# Altium PCB RevA2.PcbDoc (part 3 of 6) (continued)
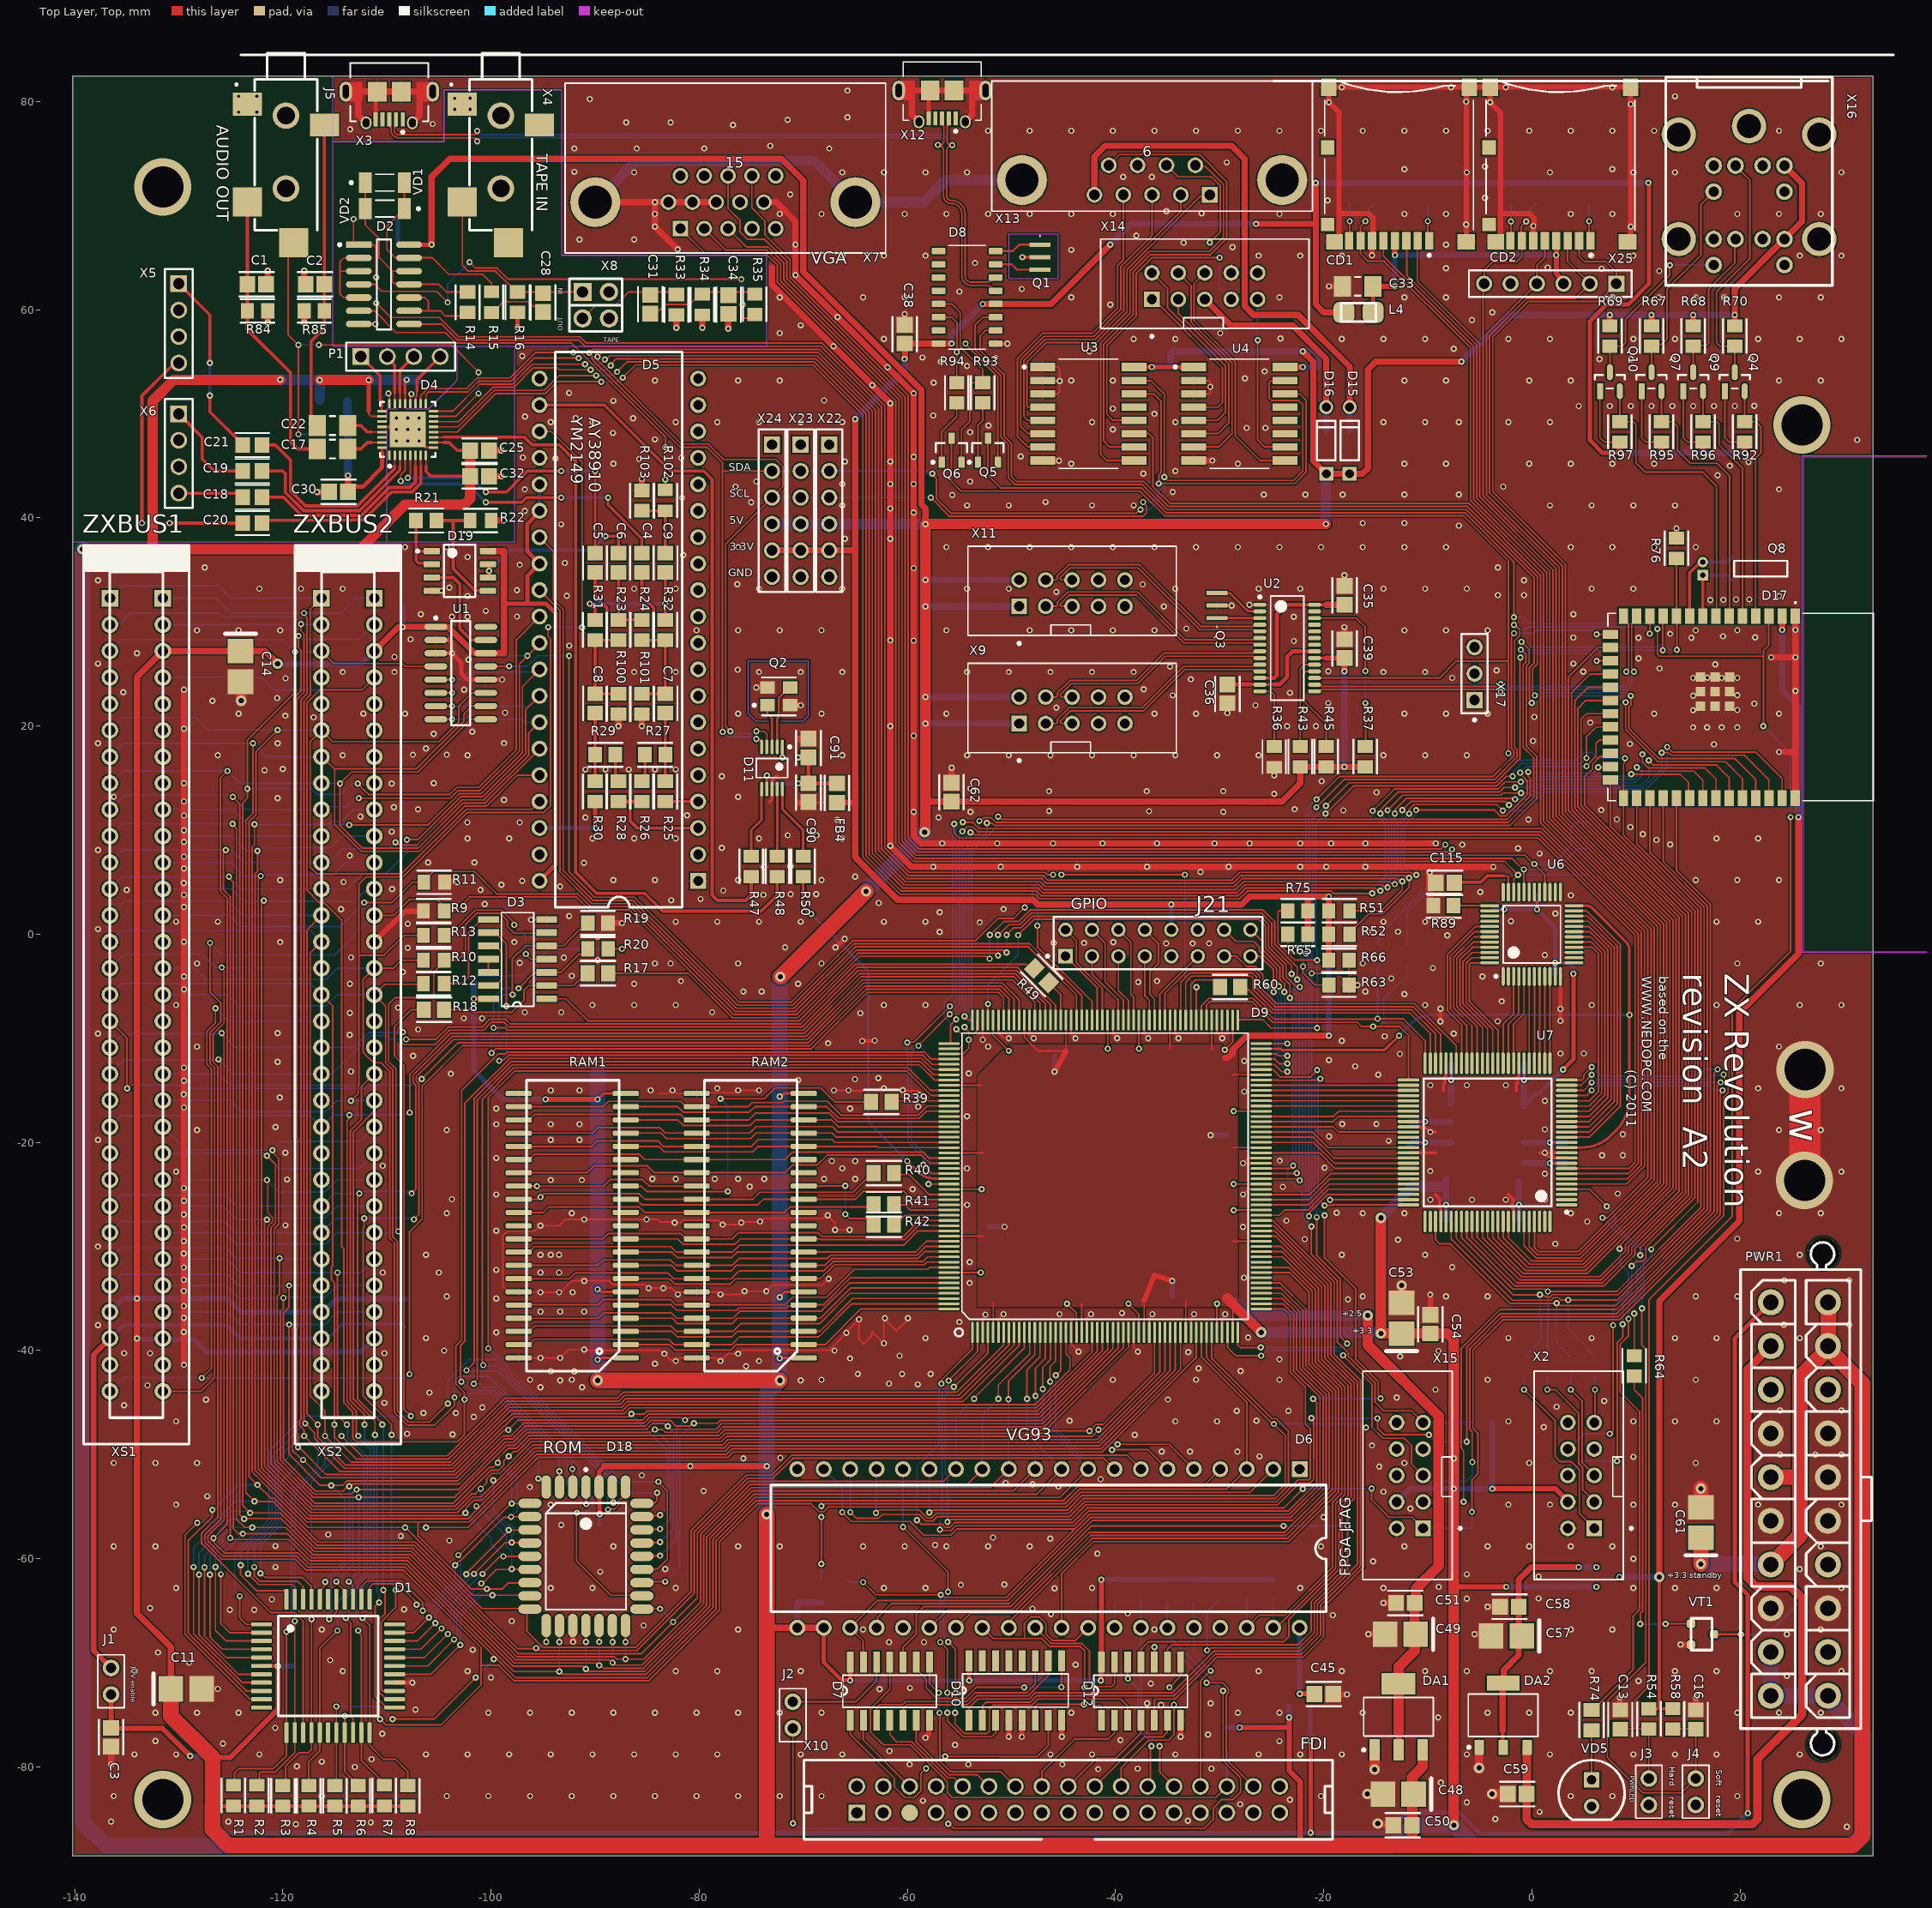
[diagram p0: Top Layer, Top view]
## Nets (pads, with @x,y where several pads share a name; then routed paths per layer and width w, separated by ;. In a path a pad name is that pad's centre, name@x,y a point inside that pad or via, vN(x,y) a via of type N, cw(c..) or ccw(c..) an arc to the next point about the centre after c; other vN are vias at no path point) (continued)
  Bottom Layer, Bottom w0.15: XS1.B6@-136.985,19.215 XS1.B6@-136.61,19.59 -135.374,20.826 -128.363,20.826 -127.173,19.637 v1(-120.504,19.637) -120.481,19.614 XS2.B6@-116.263,19.614 ; v1(-126.775,-55.304) -126.696,-55.304 -124.297,-52.905 v1(-122.43,-52.905) ; v1(-45.741,-42.374) -45.741,-47.43 -43.118,-50.053 -38.897,-50.053 -37.65,-51.3 D6.7@-37.55,-51.3
D1: D1.10 D5.36 D6.8 D9.17 D18.14 U1.10 XS1.B7 XS2.B7 | length 290.7
  Top Layer, Top w0.15: v1(-128.218,-56.535) -129.401,-57.718 -129.401,-67.242 -123.176,-73.467 -122.083,-73.467 D1.10@-122.05,-73.5 ; v1(-122.869,18.342) -122.869,11.626 -123.55,10.945 -123.55,-53.651 -122.702,-54.5 -120.941,-54.5 -116.741,-58.7 -107.388,-58.7 -97.462,-68.626 -95.738,-68.626 -95.738,-68.676 -95.444,-68.676 -95.306,-68.815 -85.978,-68.815 -80.474,-63.311 -80.474,-57.398 -75.339,-52.263 -72.91,-52.263 -71,-50.353 -41.127,-50.353 -40.254,-51.226 D6.8@-40.254,-51.363 ; XS2.B7@-116.29,17.05 -116.19,17.05 -115.025,15.885 ; U1.10@-100.5,21.92 -101.825,21.92 -102.596,21.149 -102.596,20.491 -102.79,20.297 -102.79,20.287 -104.862,18.215 -104.872,18.215 -107.202,15.885 -115.025,15.885 ; v1@-95.713,-68.651 v1(-95.652,-68.59) ; D5.36@-95.335,15.285 -97.451,15.285 -100.428,12.308 -102.543,12.308 -106.886,7.966 -112.466,7.966 -115.025,10.525 -115.025,15.885 ; v1(-94.69,-67.99) -94.69,-66.842 D18.14@-94.66,-66.812 ; v1(-46.279,-42.98) -46.279,-41.529 -45.75,-41 D9.17@-45.75,-38.25
  Bottom Layer, Bottom w0.15: XS1.B7@-136.985,16.675 XS1.B7@-136.61,17.05 -135.318,18.342 v1(-122.869,18.342) -121.577,17.05 -116.4,17.05 XS2.B7@-116.35,17 ; v1(-128.218,-56.535) -128.19,-56.507 -126.595,-56.507 -124.56,-54.472 v1(-122.729,-54.472) ; v1(-95.652,-68.59) -95.566,-68.504 -95.204,-68.504 v1(-94.69,-67.99) ; v1(-46.279,-42.98) -46.279,-47.317 -43.243,-50.353 -41.097,-50.353 D6.8@-40.15,-51.3
D2: D1.7 D5.35 D6.9 D9.16 D18.15 U1.9 XS1.B8 XS2.B8 | length 281.5
  Top Layer, Top w0.15: v1(-128.05,-61.532) -128.05,-67.32 -124.27,-71.1 D1.7@-122.05,-71.1 ; v1(-125.314,15.691) -126,15.005 -126,4.139 -125.35,3.489 -125.35,-56.721 v1(-126.658,-58.029) -126.618,-58.069 -126.618,-58.432 -126.092,-58.958 -125.612,-59.438 -118.548,-59.438 -117.487,-60.5 -108.134,-60.5 -97.793,-70.84 v1@-93.517,-70.84 ; U1.9@-100.5,20.65 -101.947,20.65 -107.011,15.585 -113.393,15.585 -114.431,14.547 -114.5,14.547 -114.568,14.547 v1(-114.5,14.478) -114.5,10.424 -112.342,8.266 -107.01,8.266 -102.668,12.608 -100.552,12.608 D5.35@-95.335,17.825 ; v1(-93.429,-70.84) -93.391,-70.84 -93.116,-71.115 -85.096,-71.115 -78.674,-64.693 -78.674,-58.144 -74.643,-54.113 -45.353,-54.113 -43.703,-52.463 D6.9@-42.64,-51.4 ; v1(-93.429,-67.99) -93.424,-67.986 -93.424,-66.786 D18.15@-93.42,-66.782 ; v1(-46.986,-43.701) -46.986,-41.614 -46.25,-40.878 D9.16@-46.25,-38.25
  Bottom Layer, Bottom w0.15: XS1.B8@-136.985,14.135 -135.429,15.691 v1(-125.314,15.691) -124.133,14.51 -116.36,14.51 XS2.B8@-116.35,14.5 ; v1(-128.05,-61.532) -128.05,-59.421 v1(-126.658,-58.029) ; XS2.B8@-116.29,14.51 -116.274,14.494 -114.516,14.494 v1(-114.5,14.478) ; v1(-93.429,-70.84) v1(-93.429,-67.99) ; v1(-46.986,-43.701) -46.986,-47.034 -42.65,-51.37 D6.9@-42.65,-51.4
D3: D1.3 D5.34 D6.10 D9.15 D18.17 U1.8 XS1.B11 XS2.B11 | length 256
  Top Layer, Top w0.15: v1(-126.475,-60.774) -126.475,-66.871 -125.446,-67.9 D1.3@-122.05,-67.9 ; v1(-125.475,8.103) -125.475,8.015 -125.7,7.79 -125.7,4.263 -125.05,3.613 v1(-125.05,-58) -124.928,-58 -124.786,-58.142 -119.42,-58.142 -117.362,-60.2 -108.009,-60.2 -97.894,-70.315 -91.193,-70.315 -90.918,-70.59 v1(-90.88,-70.59) ; v1(-109.173,8.828) -109.051,8.828 -108.788,8.566 -107.134,8.566 -102.792,12.908 -100.676,12.908 -96.372,17.213 -96.372,19.328 D5.34@-95.335,20.365 ; U1.8@-105.3,20.65 v1(-103.75,20.65) ; v1(-90.88,-67.99) D18.17@-90.88,-66.782 ; v1@-90.792,-70.59 -90.567,-70.815 -85.22,-70.815 -78.974,-64.568 -78.974,-58.019 -74.768,-53.813 -47.593,-53.813 D6.10@-45.17,-51.39 ; v1(-47.679,-44.34) -47.679,-41.693 -46.75,-40.764 D9.15@-46.75,-38.25
  Bottom Layer, Bottom w0.15: XS1.B11@-136.985,6.515 -135.398,8.103 v1(-125.475,8.103) -124.967,8.103 -123.755,6.89 -116.36,6.89 XS2.B11@-116.35,6.9 ; v1(-126.475,-60.774) -126.475,-59.473 -125.05,-58.048 v1(-125.05,-58) ; XS2.B11@-116.29,6.89 -116.062,7.118 -115.368,7.118 -114.265,8.221 -109.78,8.221 v1(-109.173,8.828) ; v1(-103.75,20.65) -97,20.65 -96.715,20.365 D5.34@-95.335,20.365 ; v1(-90.88,-70.59) v1(-90.88,-67.99) ; v1(-47.679,-44.34) -47.679,-48.881 D6.10@-45.17,-51.39
D4: D1.2 D5.33 D6.11 D9.14 D18.18 U1.7 XS1.B12 XS2.B12 | length 252.4
  Top Layer, Top w0.15: v1(-125.95,-61.5) -125.95,-66.246 -125.096,-67.1 D1.2@-122.05,-67.1 ; v1(-125.175,5.54) -125.175,5.442 -124.75,5.017 -124.75,-57.106 -124.274,-57.582 -123.868,-57.582 v1(-123.85,-57.6) -119.538,-57.6 -117.238,-59.9 -107.885,-59.9 -97.77,-70.015 -89.917,-70.015 -89.692,-70.24 v1(-89.604,-70.24) ; v1(-108.08,9.091) -107.033,9.091 -102.916,13.208 -100.8,13.208 -96.672,17.337 -96.672,21.568 D5.33@-95.335,22.905 ; U1.7@-105.3,21.92 v1(-103.75,21.92) ; v1(-89.61,-67.981) D18.18@-89.61,-66.782 ; v1@-89.585,-70.221 -89.53,-70.221 -89.236,-70.515 -85.345,-70.515 -79.274,-64.444 -79.274,-57.895 -74.842,-53.463 -49.783,-53.463 D6.11@-47.71,-51.39 ; v1(-48.5,-44.639) -48.5,-41.852 -47.25,-40.602 D9.14@-47.25,-38.25
  Bottom Layer, Bottom w0.15: XS1.B12@-136.985,3.975 -135.42,5.54 v1(-125.175,5.54) ; v1(-125.95,-61.5) -125.95,-59.713 -123.85,-57.613 v1(-123.85,-57.6) ; v1@-125.247,5.54 v1(-125.175,5.54) ; XS2.B12@-116.35,4.3 -116.4,4.35 -123.985,4.35 v1(-125.175,5.54) ; XS2.B12@-116.29,4.35 -113.825,4.35 -112.431,5.744 -110.218,5.744 -108.08,7.882 v1(-108.08,9.091) ; v1(-103.75,21.92) -96.32,21.92 D5.33@-95.335,22.905 ; v1(-89.61,-67.981) -89.607,-67.984 -89.607,-70.237 v1(-89.604,-70.24) ; v1(-48.5,-44.639) -48.5,-49 -47.71,-49.79 D6.11@-47.71,-51.39
D5: D1.4 D5.32 D6.12 D9.13 D18.19 U1.6 XS1.B10 XS2.B10 | length 258.6
  Top Layer, Top w0.15: v1(-127,-61.525) -127,-67.522 -125.822,-68.7 D1.4@-122.05,-68.7 ; v1(-124.836,10.608) -124.836,10.531 -124.45,10.145 -124.45,-56.195 -123.646,-57 v1(-122.933,-57) -119.714,-57 -117.114,-59.6 -107.761,-59.6 -97.646,-69.715 -88.627,-69.715 -88.352,-69.99 -88.227,-69.99 -88.002,-70.215 -85.469,-70.215 -79.574,-64.32 -79.574,-57.771 -74.966,-53.163 -52.023,-53.163 D6.12@-50.25,-51.39 ; v1(-113.625,10.505) -106.043,10.505 -103.04,13.508 -100.925,13.508 -96.972,17.461 -96.972,23.808 D5.32@-95.335,25.445 ; U1.6@-105.3,23.19 v1(-103.75,23.19) ; D18.19@-88.342,-66.774 -88.327,-66.789 -88.327,-67.978 v1(-88.315,-67.99) ; v1(-50.278,-44.678) -50.278,-42.915 -47.75,-40.387 D9.13@-47.75,-38.25
  Bottom Layer, Bottom w0.15: XS1.B10@-136.985,9.055 -135.432,10.608 v1(-124.836,10.608) -123.658,9.43 XS2.B10@-116.29,9.43 -115.215,10.505 v1(-113.625,10.505) ; v1(-127,-61.525) -127,-59.574 -125.8,-58.374 -125.8,-57.829 -124.97,-57 v1(-122.933,-57) ; v1(-103.75,23.19) -101.729,25.211 -95.569,25.211 D5.32@-95.335,25.445 ; v1(-88.315,-69.99) v1(-88.315,-67.99) ; v1(-50.278,-44.678) -50.264,-44.692 -50.264,-51.085 D6.12@-50.25,-51.1
D6: D1.5 D5.31 D6.13 D9.12 D18.20 U1.5 XS1.B9 XS2.B9 | length 259.9
  Top Layer, Top w0.15: v1(-127.525,-60.819) -127.525,-67.421 -125.446,-69.5 D1.5@-122.05,-69.5 ; v1(-124.804,13.203) -124.15,12.549 -124.15,-55.753 v1(-123.722,-56.181) -123.666,-56.125 -120.164,-56.125 -116.989,-59.3 -107.637,-59.3 -97.521,-69.415 -88.147,-69.415 -87.922,-69.64 v1(-87.072,-69.64) -85.318,-69.64 -79.874,-64.196 -79.874,-57.647 -75.09,-52.863 -54.263,-52.863 D6.13@-52.79,-51.39 ; v1(-112.701,13.076) -103.896,13.076 -103.165,13.808 -101.049,13.808 -97.272,17.585 -97.272,25.978 v1(-96.5,26.75) -95.335,27.915 D5.31@-95.335,27.985 ; U1.5@-105.3,24.46 v1(-103.75,24.46) ; v1(-87.072,-67.99) -87.071,-67.989 -87.071,-66.845 D18.20@-87.072,-66.844 ; v1(-51.25,-44.639) -51.25,-43.3 -48.25,-40.3 D9.12@-48.25,-38.25
  Bottom Layer, Bottom w0.15: XS1.B9@-136.985,11.595 XS1.B9@-136.61,11.97 -135.218,13.363 -125.085,13.363 -124.926,13.203 v1(-124.804,13.203) -123.571,11.97 -116.38,11.97 XS2.B9@-116.35,12 ; v1(-127.525,-60.819) -127.525,-59.675 -126.1,-58.25 -126.1,-57.25 -125.031,-56.181 v1(-123.722,-56.181) ; XS2.B9@-116.29,11.97 -116.012,12.248 -113.936,12.248 -113.125,13.058 -112.719,13.058 v1(-112.701,13.076) ; v1(-103.75,24.46) -102.904,24.46 -100.614,26.75 v1(-96.5,26.75) ; D5.31@-95.335,27.883 D5.31@-95.335,27.985 ; v1(-87.072,-69.64) v1(-87.072,-67.99) ; D6.13@-52.79,-51.39 -52.79,-46.178 v1(-51.25,-44.639)
D7: D1.8 D5.30 D6.14 D9.11 D18.21 U1.4 XS1.B3 XS2.B3 | length 288.1
  Top Layer, Top w0.15: v1(-128.575,-60.798) -128.575,-67.219 -123.895,-71.9 D1.8@-122.05,-71.9 ; v1(-123.411,13.985) -123.405,13.979 -123.405,13.073 -123.85,12.628 -123.85,-54.9 v1(-123.15,-55.6) -120.265,-55.6 -116.865,-59 -107.512,-59 -97.397,-69.115 -85.524,-69.115 -82.503,-66.094 v1(-82.503,-66.083) ; v1@-123.405,14.019 -123.411,14.025 -123.411,18.339 -123.394,18.356 -123.394,18.668 -118.84,23.222 v1(-118.84,27.142) ; XS2.B3@-116.29,27.21 -115.093,26.013 -108.506,26.013 -108.223,25.73 U1.4@-105.3,25.73 ; v1(-112.802,14.467) -112.161,13.826 -111.771,13.435 -103.962,13.435 -103.289,14.108 -101.173,14.108 -97.572,17.71 -97.572,28.288 D5.30@-95.335,30.525 ; D18.21@-85.15,-64.795 -85.12,-64.825 -83.765,-64.825 v1(-83.75,-64.809) ; v1@-82.472,-66.063 -81.318,-64.909 -80.174,-63.765 -80.174,-57.522 -75.215,-52.563 -56.503,-52.563 D6.14@-55.33,-51.39 ; v1(-53.58,-44.639) -53.58,-44.556 -48.75,-39.726 D9.11@-48.75,-38.25
  Bottom Layer, Bottom w0.15: XS1.B3@-136.787,27.033 -135.535,28.285 -119.983,28.285 -118.834,27.137 -118.183,27.137 -118.177,27.142 -116.358,27.142 XS2.B3@-116.29,27.21 ; v1(-128.575,-60.798) -128.575,-58.912 -125.088,-55.425 -123.447,-55.425 -123.272,-55.6 v1(-123.15,-55.6) ; v1(-123.411,13.985) -117.285,13.985 -116.735,13.435 -114.386,13.435 -113.354,14.467 v1(-112.802,14.467) ; D5.30@-95.335,30.165 D5.30@-95.335,30.525 ; v1(-83.75,-64.809) -83.75,-64.822 -82.503,-66.069 v1(-82.503,-66.083) ; D6.14@-55.35,-51.3 -55.33,-51.28 -55.33,-46.389 v1(-53.58,-44.639)
D\I\R\_5: D12.4 X10.18 | length 10.3
  Top Layer, Top w0.15: X10.18@-44.535,-81.87 -41.834,-79.169 -39.974,-79.169 -37.55,-76.745 D12.4@-37.55,-75.52
D\O\S\_1: D9.160 D18.3 XS1.A4 XS2.A4 | length 209.2
  Top Layer, Top w0.15: XS2.A4@-111.25,24.6 -111.28,24.6 -112.405,23.475 -116.466,23.475 -117.665,22.276 -117.665,4.205 -116.501,3.041 -116,3.041 -114.35,1.391 -114.35,-30.003 -114.125,-30.228 -114.125,-45.022 -113.275,-45.872 -113.275,-48.417 -112.942,-48.75 -103.239,-48.75 -102.55,-48.061 v1(-102.55,-44.7) -102.55,-44.042 -103.375,-43.217 -103.375,-39.539 -102.825,-38.989 -102.825,-15.015 -99.745,-11.935 -99.735,-11.935 -99.427,-11.627 -99.427,-11.617 -99.31,-11.5 -98.611,-11.5 -98.437,-11.326 -58.36,-11.326 -57.685,-12 D9.160@-56,-12 ; v1(-93.443,-51.599) -93.431,-51.611 -93.431,-52.8 D18.3@-93.39,-52.842
  Bottom Layer, Bottom w0.15: XS1.A4@-131.53,24.67 -122.071,24.67 -120.868,23.467 -112.413,23.467 XS2.A4@-111.21,24.67 ; v1(-102.55,-44.7) -101.975,-44.125 -99.868,-44.125 -93.443,-50.55 v1(-93.443,-51.599)
D\S\0\_5: D7.4 X10.10 | length 10.4
  Top Layer, Top w0.15: D7.4@-61.68,-75.52 -61.68,-76.906 -61,-77.586 -59.574,-77.586 -56.11,-81.05 -55.515,-81.05 X10.10@-54.695,-81.87
D\S\1\_5: D7.6 X10.12 | length 10.8
  Top Layer, Top w0.15: D7.6@-59.14,-75.52 -59.15,-75.53 -59.15,-77.586 -55.986,-80.75 -53.275,-80.75 X10.12@-52.155,-81.87
D\S\2\_5: D7.8 X10.14 | length 18.2
  Top Layer, Top w0.15: D7.8@-57.87,-69.932 -57.87,-71.972 v1(-56.97,-72.872) ; v1(-56.909,-74.815) -56.884,-74.841 -56.884,-79.428 -55.861,-80.45 -51.035,-80.45 X10.14@-49.615,-81.87
  Bottom Layer, Bottom w0.15: v1(-56.97,-72.872) -56.94,-72.902 -56.94,-74.785 v1(-56.909,-74.815)
D\S\3\_5: D7.2 X10.6 | length 8.2
  Top Layer, Top w0.15: D7.2@-64.22,-75.52 -64.25,-75.55 -64.25,-77.395 X10.6@-59.775,-81.87
DAC_B0: U6.16 U7.21 | length 19.3
  Top Layer, Top w0.15: U7.21@3.35,-16 5.5,-16 6.413,-15.087 6.413,-1.873 5.79,-1.25 U6.16@4.05,-1.25
DAC_B1: U6.17 U7.20 | length 20.5
  Top Layer, Top w0.15: U7.20@3.35,-16.5 5.5,-16.5 6.713,-15.287 6.713,-1.748 5.714,-0.75 U6.17@4.05,-0.75
DAC_B2: U6.18 U7.19 | length 21.7
  Top Layer, Top w0.15: U7.19@3.35,-17 5.5,-17 7.013,-15.487 7.013,-1.624 5.639,-0.25 U6.18@4.05,-0.25
DAC_B3: U6.19 U7.18 | length 22.9
  Top Layer, Top w0.15: U7.18@3.35,-17.5 5.5,-17.5 7.313,-15.687 7.313,-1.5 5.563,0.25 U6.19@4.05,0.25
DAC_B4: U6.20 U7.17 | length 24.1
  Top Layer, Top w0.15: U7.17@3.35,-18 5.5,-18 7.613,-15.887 7.613,-1.376 5.487,0.75 U6.20@4.05,0.75
DAC_B5: U6.21 U7.16 | length 25.3
  Top Layer, Top w0.15: U7.16@3.35,-18.5 5.5,-18.5 7.913,-16.087 7.913,-1.251 5.412,1.25 U6.21@4.05,1.25
DAC_B6: U6.22 U7.15 | length 26.5
  Top Layer, Top w0.15: U7.15@3.35,-19 5.5,-19 8.213,-16.287 8.213,-1.127 5.336,1.75 U6.22@4.05,1.75
DAC_B7: U6.23 U7.14 | length 27.7
  Top Layer, Top w0.15: U7.14@3.35,-19.5 5.5,-19.5 8.513,-16.487 8.513,-1.003 5.304,2.206 ccw(c5.198,2.1) 5.198,2.25 U6.23@4.05,2.25
DAC_CLK_1: D9.103 U6.24 U7.12 | length 67.5
  Top Layer, Top w0.15: D9.103@-26,-11 -24.482,-11
  Top Layer, Top w0.2: U7.12@3.35,-20.5 4.75,-20.5 ; U6.24@3.509,2.75 3.51,2.75 U6.24@4.05,2.75 4.057,2.75 4.057,2.748 ccw(c4.103,2.943) 4.102,2.743 5.197,2.743
  Top Layer, Top w0.25: -24.481,-10.999 -24.15,-10.999 -24.043,-11.106 -14.131,-11.106 -12.827,-9.802 cw(c-12.65,-9.979) v1(-12.75,-9.75) ; 4.75,-20.5 ccw(c4.775,-16.458) 7.621,-19.328 8.111,-18.838 ccw(c5.039,-15.791) 9.366,-15.786 9.366,-7.75 9.366,-7.737 9.366,-1.532 ccw(c8.197,-1.528) 9.366,-1.529 ccw(c8.197,-1.528) 9.022,-0.699 5.792,2.531 ccw(c5.273,2.015) 5.197,2.743
  Bottom Layer, Bottom w0.25: v1(-12.75,-9.75) -11.494,-8.494 cw(c-9.698,-10.29) -9.698,-7.75 v1(9.396,-7.75)
DAC_G0: U6.3 U7.35 | length 8.8
  Top Layer, Top w0.15: U7.35@-2.75,-12.4 -2.75,-8.636 -1.75,-7.636 U6.3@-1.75,-4.05
DAC_G1: U6.4 U7.34 | length 8.8
  Top Layer, Top w0.15: U7.34@-2.25,-12.4 -2.25,-8.636 -1.25,-7.636 U6.4@-1.25,-4.05
DAC_G2: U6.5 U7.33 | length 8.8
  Top Layer, Top w0.15: U7.33@-1.75,-12.4 -1.75,-8.636 -0.75,-7.636 U6.5@-0.75,-4.05
DAC_G3: U6.6 U7.30 | length 8.4
  Top Layer, Top w0.15: U7.30@-0.25,-12.4 U6.6@-0.25,-4.05
DAC_G4: U6.7 U7.29 | length 8.4
  Top Layer, Top w0.15: U7.29@0.25,-12.4 U6.7@0.25,-4.05
DAC_G5: U6.8 U7.28 | length 8.4
  Top Layer, Top w0.15: U7.28@0.75,-12.4 U6.8@0.75,-4.05
DAC_G6: U6.9 U7.27 | length 8.4
  Top Layer, Top w0.15: U7.27@1.25,-12.4 U6.9@1.25,-4.05
DAC_G7: U6.10 U7.26 | length 8.4
  Top Layer, Top w0.15: U7.26@1.75,-12.4 U6.10@1.75,-4.05
DAC_R0: U6.41 U7.43 | length 16.2
  Top Layer, Top w0.15: U7.43@-6.75,-12.4 -6.75,-8.667 -8.109,-7.308 -8.109,-1.962 -5.397,0.75 U6.41@-4.05,0.75
DAC_R1: U6.42 U7.42 | length 15.7
  Top Layer, Top w0.15: U7.42@-6.25,-12.4 -6.25,-8.743 -7.809,-7.183 -7.809,-2.087 -5.473,0.25 U6.42@-4.05,0.25
DAC_R2: U6.43 U7.41 | length 15.2
  Top Layer, Top w0.15: U7.41@-5.75,-12.4 -5.75,-8.818 -7.509,-7.059 -7.509,-2.211 -5.549,-0.25 U6.43@-4.05,-0.25
DAC_R3: U6.44 U7.40 | length 14.7
  Top Layer, Top w0.15: U7.40@-5.25,-12.4 -5.25,-8.894 -7.209,-6.935 -7.209,-2.335 -5.824,-0.95 -5.624,-0.75 U6.44@-4.05,-0.75
DAC_R4: U6.45 U7.39 | length 14.2
  Top Layer, Top w0.15: U7.39@-4.75,-12.4 -4.75,-8.97 -6.909,-6.811 -6.909,-2.459 -5.7,-1.25 U6.45@-4.05,-1.25
DAC_R5: U6.46 U7.38 | length 13.7
  Top Layer, Top w0.15: U7.38@-4.25,-12.4 -4.25,-9.046 -6.609,-6.686 -6.609,-2.628 -5.731,-1.75 U6.46@-4.05,-1.75
DAC_R6: U6.47 U7.37 | length 13.2
  Top Layer, Top w0.15: U6.47@-4.05,-2.25 -5.774,-2.25 -6.309,-2.785 -6.309,-6.562 -3.75,-9.121 U7.37@-3.75,-12.4
DAC_R7: U6.48 U7.36 | length 12.7
  Top Layer, Top w0.15: U6.48@-4.05,-2.75 -5.85,-2.75 -6.009,-2.909 -6.009,-6.438 -3.25,-9.197 U7.36@-3.25,-12.4
DACDAT_1: D4.14 D17.34 | length 186.9
  Top Layer, Top w0.15: D4.14@-105.525,49.25 -103.102,49.25 -99.802,52.55 -97.805,52.55 -95.933,54.422 -93.648,54.422 -93.455,54.229 v1(-90.432,54.229) ; v1(-88.497,54.641) -88.497,54.729 -87.94,55.286 -68.796,55.286 -63.666,50.156 -63.666,7.661 -60.455,4.45 -47.45,4.45 -46.992,3.992 -28.332,3.992 -27.574,4.75 -14.369,4.75 -14.204,4.585 -13.947,4.585 v1(-13.86,4.499) ; v2(-13.86,11.91) -12.409,13.361 -2.981,13.361 -2.768,13.574 v1(-1.043,13.574) ; v1(10.626,17.293) 10.626,16.562 11.213,15.975 16.639,15.975 17.702,14.911 D17.34@17.702,13.075
  Bottom Layer, Bottom w0.15: v1(-90.432,54.229) -88.909,54.229 v1(-88.497,54.641) ; v1(-13.86,4.499) -13.86,4.937 -13.467,5.33 -13.467,11.121 -13.837,11.491 -13.837,11.887 v2(-13.86,11.91) ; v1(-1.043,13.574) -0.203,13.574 0.786,14.563 9.901,14.563 10.626,15.288 v1(10.626,17.293)
DACLRC_1: D4.13 D17.33 | length 184
  Top Layer, Top w0.15: D4.13@-105.525,48.75 -103.178,48.75 -99.678,52.25 -94.885,52.25 -93.455,53.681 v1(-89.883,53.681) ; v1(-87.888,54.037) -87.447,54.478 -86.939,54.986 -68.921,54.986 -63.966,50.031 -63.966,7.536 -60.579,4.15 -47.575,4.15 -47.117,3.692 -28.208,3.692 -27.45,4.45 -15.108,4.45 -14.912,4.254 -14.615,4.254 v1(-14.542,4.181) ; v2(-14.542,11.588) -14.512,11.618 -14.512,12.001 -12.852,13.661 -3.106,13.661 -2.666,14.101 v1(-1.62,14.101) ; v1(10.089,16.051) 10.465,15.675 15.567,15.675 16.432,14.81 D17.33@16.432,13.075
  Bottom Layer, Bottom w0.15: v1(-89.883,53.681) -88.245,53.681 v1(-87.888,54.037) ; v1(-14.542,4.181) -14.542,4.303 -14.385,4.46 -14.385,4.836 -13.767,5.454 -13.767,10.813 v2(-14.542,11.588) ; v1(-1.62,14.101) -1.601,14.12 -0.082,14.12 0.662,14.863 9.776,14.863 10.089,15.175 v1(10.089,16.051)
DATA0_1: D9.156 D17.11 | length 106.7
  Top Layer, Top w0.15: v1(-54.514,-7.896) -54.479,-7.896 -54.125,-8.25 D9.156@-53.75,-8.25 ; v2(-53.084,10.88) -52.986,10.88 -52.664,11.202 -51.944,11.202 -51.492,10.75 -2.252,10.75 0.177,13.179 0.177,16.97 -0.827,17.975 -0.827,25.888 -0.57,26.146 -0.57,26.901 -1.013,27.344 v1(-1.057,27.344) ; v1(12.588,27.295) 12.588,30.541 D17.11@12.622,30.575
  Bottom Layer, Bottom w0.15: v1(-54.514,-7.896) -54.514,-7.376 -54.433,-7.296 -54.433,8.141 -53.084,9.49 v2(-53.084,10.88) ; v1(-1.057,27.344) -1.008,27.295 v1(12.588,27.295)
DCD_TTL: D8.12
DCLK_1: D9.155 D17.10 R76.1 | length 117.3
  Top Layer, Top w0.15: v1(-54.504,-8.913) -54.504,-8.973 -53.952,-9.525 -53.548,-9.525 -53.3,-9.277 -53.3,-8.3 D9.155@-53.25,-8.25 ; v2(-52.354,10.676) -52.34,10.663 -51.829,10.663 -51.616,10.45 -2.128,10.45 0.477,13.055 0.477,17.095 -0.527,18.099 -0.527,25.764 -0.256,26.035 -0.256,27.354 v1(-0.994,28.092) ; R76.1@13.892,36.108 D17.10@13.892,30.575 13.933,30.534 v1(13.933,27.329)
  Bottom Layer, Bottom w0.15: v1(-54.504,-8.913) -53.989,-8.398 -53.989,-7.678 -54.133,-7.534 -54.133,8.016 -52.354,9.796 v2(-52.354,10.676) ; v1(-0.994,28.092) -0.497,27.595 12.146,27.595 12.371,27.82 12.813,27.82 13.304,27.329 v1(13.933,27.329)
DIR_5: D6.16 D12.3 | length 48.2
  Top Layer, Top w0.15: v1(-60.415,-56.945) -56.093,-61.267 v1(-56.093,-63.181) ; v1(-56.081,-67.984) -55.369,-68.696 v1(-55.369,-72.885) ; v1(-55.41,-74.78) -55.41,-75.883 -54.499,-76.795 -52.351,-76.795 -52.12,-76.564 -52.12,-74.406 -51.789,-74.075 -48.049,-74.075 -47.449,-73.475 -39.525,-73.475 -38.82,-74.18 D12.3@-38.82,-75.52
  Bottom Layer, Bottom w0.15: v1(-60.415,-56.945) -60.413,-56.943 -60.413,-51.393 D6.16@-60.41,-51.39 ; v1(-56.093,-63.181) -56.093,-63.623 -56.51,-64.04 -56.51,-67.554 v1(-56.081,-67.984) ; v1(-55.41,-74.78) -55.39,-74.76 -55.39,-72.906 v1(-55.369,-72.885)
DSR_TTL: D8.10
DTR: D8.13 Q6.2 R93.2 | length 19.1
  Top Layer, Top w0.15: D8.13@-57.004,60.557 -55.75,60.557 -54.925,59.732 -54.925,56.425 -52.75,54.25 -52.75,53 -53.75,53 -54,52.75 -54,49.25 -54.8,48.45 Q6.2@-54.8,45.35
ESP32_MASTER.MISO_1: D17.28 R99.2 U7.83 | length 78.1
  Top Layer, Top w0.15: U7.83@-6.75,-27.6 -6.75,-29.155 -1.81,-34.095 1.225,-34.095 1.45,-34.32 8.171,-34.32 16.258,-26.233 16.258,2.502 10.082,8.677 D17.28@10.082,13.075
  Bottom Layer, Bottom w0.15: R99.2@1.5,-40.496 1.538,-40.458 v1(1.538,-34.32)
ESP32_MASTER.MOSI_1: D17.30 R105.2 U7.81 | length 80.3
  Top Layer, Top w0.15: U7.81@-7.75,-27.6 -7.75,-29.282 -1.872,-35.16 1.865,-35.16 2.105,-34.92 2.595,-34.92 2.82,-35.145 v1(3.505,-35.145) 8.194,-35.145 16.858,-26.482 16.858,2.75 12.622,6.986 D17.30@12.622,13.075
  Bottom Layer, Bottom w0.15: v1(3.505,-35.145) 3.5,-35.15 3.5,-37.921 5.419,-39.84 5.419,-39.967 5.948,-40.496 R105.2@6.075,-40.496
ESP32_MASTER.S\S\E\L\_1: D17.31 R104.2 U7.78 | length 81.3
  Top Layer, Top w0.15: U7.78@-9.25,-27.6 -9.25,-29.35 -8.85,-29.75 -7.818,-29.75 -2.122,-35.445 -2.011,-35.445 -1.996,-35.46 2.363,-35.46 v1(2.378,-35.445) 2.459,-35.445 2.69,-35.677 8.087,-35.677 17.158,-26.606 17.158,2.874 13.892,6.14 D17.31@13.892,13.075
  Bottom Layer, Bottom w0.15: v1(2.378,-35.445) 2.378,-39.251 3.623,-40.496 R104.2@3.75,-40.496
ESP32_MASTER.SCLK_1: D17.29 R98.2 U7.82 | length 79.7
  Top Layer, Top w0.15: U7.82@-7.25,-27.6 -7.25,-29.21 -1.825,-34.635 0.628,-34.635 v1@0.782,-34.789 ; v1(0.782,-34.635) v1@0.782,-34.789 ; D17.29@11.352,13.075 11.352,7.831 16.558,2.626 16.558,-26.358 8.295,-34.62 1.981,-34.62 1.756,-34.845 1.321,-34.845 1.196,-34.721 0.85,-34.721 v1@0.782,-34.789
  Bottom Layer, Bottom w0.15: R98.2@-0.75,-40.496 -0.623,-40.496 0.885,-38.988 0.885,-36.916 0.782,-36.813 v1(0.782,-34.635)
ESP32_RXD: D8.3 D17.36 | length 112.3
  Top Layer, Top w0.15: D8.3@-51.504,59.287 -52.713,59.287 -53.5,58.5 -53.5,56.17 -53.165,55.835 -51,53.67 -51,47.75 -50.3,47.05 -50.3,43.87 -49.63,43.2 -37.423,43.2 -35.026,40.803 -6.308,40.803 0.229,34.265 0.229,26.095 -0.227,25.638 -0.227,22.546 -0.002,22.321 v1(-0.002,22.233) ; v1(9.016,22.286) 9.016,19.666 12.107,16.575 18.604,16.575 20.242,14.937 D17.36@20.242,13.075
  Bottom Layer, Bottom w0.15: v1(-0.002,22.233) 0.441,22.233 1.118,22.91 8.391,22.91 v1(9.016,22.286)
ESP32_SLAVE.MISO_1: D17.19 U7.86 | length 82.2
  Top Layer, Top w0.15: U7.86@-5.25,-27.6 -5.25,-29.128 -1.182,-33.195 6.665,-33.195 9.292,-30.568 9.292,-29.993 10.463,-28.823 14.458,-24.828 14.458,1.756 12.958,3.256 4.129,12.085 4.129,22.443 5.417,23.73 D17.19@7.562,23.73
ESP32_SLAVE.MOSI_1: D17.21 U7.84 | length 81.8
  Top Layer, Top w0.15: U7.84@-6.25,-27.6 -6.234,-27.616 -6.234,-29.162 -1.601,-33.795 6.914,-33.795 9.892,-30.817 9.892,-30.242 10.711,-29.423 15.058,-25.076 15.058,2.005 14.158,2.905 4.729,12.333 4.729,20.665 5.254,21.19 D17.21@7.562,21.19
ESP32_SLAVE.S\S\E\L\_1: D17.18 U7.87 | length 82.4
  Top Layer, Top w0.15: U7.87@-4.75,-27.6 -4.75,-29.156 -1.011,-32.895 6.541,-32.895 8.992,-30.444 8.992,-29.869 10.338,-28.523 14.158,-24.704 14.158,1.632 4.478,11.311 3.829,11.96 3.829,23.22 5.609,25 D17.18@7.562,25
ESP32_SLAVE.SCLK_1: D17.20 U7.85 | length 82.1
  Top Layer, Top w0.15: U7.85@-5.75,-27.6 -5.75,-29.162 -1.417,-33.495 6.789,-33.495 9.592,-30.692 9.592,-30.118 10.587,-29.123 14.758,-24.952 14.758,1.88 13.558,3.08 4.429,12.209 4.429,21.701 5.188,22.46 D17.20@7.562,22.46
ESP32_TXD: D8.2 D17.37 | length 111.4
  Top Layer, Top w0.15: D8.2@-51.504,58.017 -52.483,58.017 -53,57.5 -53,56.094 -50.7,53.794 -50.7,47.874 -50,47.174 -50,43.994 -49.506,43.5 -37.299,43.5 -34.901,41.103 -6.184,41.103 0.529,34.389 0.529,25.971 0.073,25.514 0.073,23.257 0.298,23.032 v1(0.298,22.944) ; v1(9.504,22.91) 9.541,22.873 9.541,22.068 9.316,21.843 9.316,19.791 12.232,16.875 19.523,16.875 21.512,14.886 D17.37@21.512,13.075
  Bottom Layer, Bottom w0.15: v1(0.298,22.944) 0.344,22.944 0.61,23.21 9.191,23.21 9.491,22.91 v1(9.504,22.91)
ESP_IO45_11: D17.26 X2.6 | length 77.5
  Top Layer, Top w0.15: D17.26@7.562,14.84 7.562,10.349 15.058,2.853 15.658,2.253 15.658,-25.325 10.949,-30.033 10.949,-31.117 10.622,-31.445 10.006,-31.445 v1(9.592,-31.859) ; v1(8.2,-50.612) 8.2,-39.235 8.739,-38.696 v1(8.739,-37.459)
  Bottom Layer, Bottom w0.15: X2.6@3.535,-51.986 4.909,-50.612 v1(8.2,-50.612) ; v1(8.739,-37.459) 8.739,-35.285 9.592,-34.432 v1(9.592,-31.859)
ESP_IO46_11: D17.16 X2.8 | length 90.1
  Top Layer, Top w0.15: 3.748,24.947 3.529,24.728 3.529,11.836 13.496,1.87 13.858,1.507 13.858,-24.486 8.537,-29.807 8.537,-30.135 v1(8.451,-30.221) ; 3.748,24.947 6.34,27.54 D17.16@7.562,27.54 ; v1(7.5,-48) 7.809,-47.691 v1(7.809,-37.572)
  Bottom Layer, Bottom w0.15: X2.8@3.535,-49.446 4.981,-48 v1(7.5,-48) ; v1(7.809,-37.572) 7.809,-35.791 9.292,-34.308 9.292,-32.5 8.451,-31.659 v1(8.451,-30.221)
FPGA_CLK_1: D9.183 R50.2 | length 36.1
  Top Layer, Top w0.2: -57.248,-23.5 D9.183@-56,-23.5
  Top Layer, Top w0.25: R50.2@-70,5.546 -70,2.623 -69.331,1.954 v1(-69.236,1.954) ; v1(-60,-21.8) -59.045,-22.755 ccw(c-57.248,-20.96) -57.248,-23.5
  Bottom Layer, Bottom w0.25: v1(-69.236,1.954) -63.75,-3.533 -63.75,-18.05 v1(-60,-21.8)
FPGA_SEL0: D9.97 U7.74 | length 25.5
  Top Layer, Top w0.15: D9.97@-26,-14 -24.288,-14 -24.259,-14.028 -21.188,-14.028 -21.159,-14 -20.623,-14 -20.599,-13.975 -20.396,-13.975 v1(-20.31,-13.889) ; v1(-19.385,-25.525) -19.373,-25.512 -11.862,-25.512 U7.74@-11.85,-25.5
  Bottom Layer, Bottom w0.15: v1(-20.31,-13.889) -20.31,-13.967 -20.545,-14.202 -20.545,-24.365 v1(-19.385,-25.525)
FPGA_SEL1: D9.99 U7.75 | length 27.5
  Top Layer, Top w0.15: D9.99@-26,-13 -24.863,-13 -24.135,-13.728 -21.312,-13.728 v1(-20.626,-13.042) ; v1(-19.915,-26.055) -19.91,-26.05 -19.168,-26.05 -19.118,-26 U7.75@-11.85,-26
  Bottom Layer, Bottom w0.15: v1(-20.626,-13.042) -20.626,-13.141 -20.845,-13.361 -20.845,-25.125 v1(-19.915,-26.055)